# Altium PCB FPV0-3.PcbDoc (part 1 of 6)
Units mm, origin at the board's own origin, x right, y up, seen from the top; angles counter-clockwise.
Board outline 81.28 x 53.34 mm, 4 copper layers (Top Layer, GND Plane 1, 3v3 Plane 2, Bottom Layer); 180 components, 250 nets, 840 pads, 218 vias.
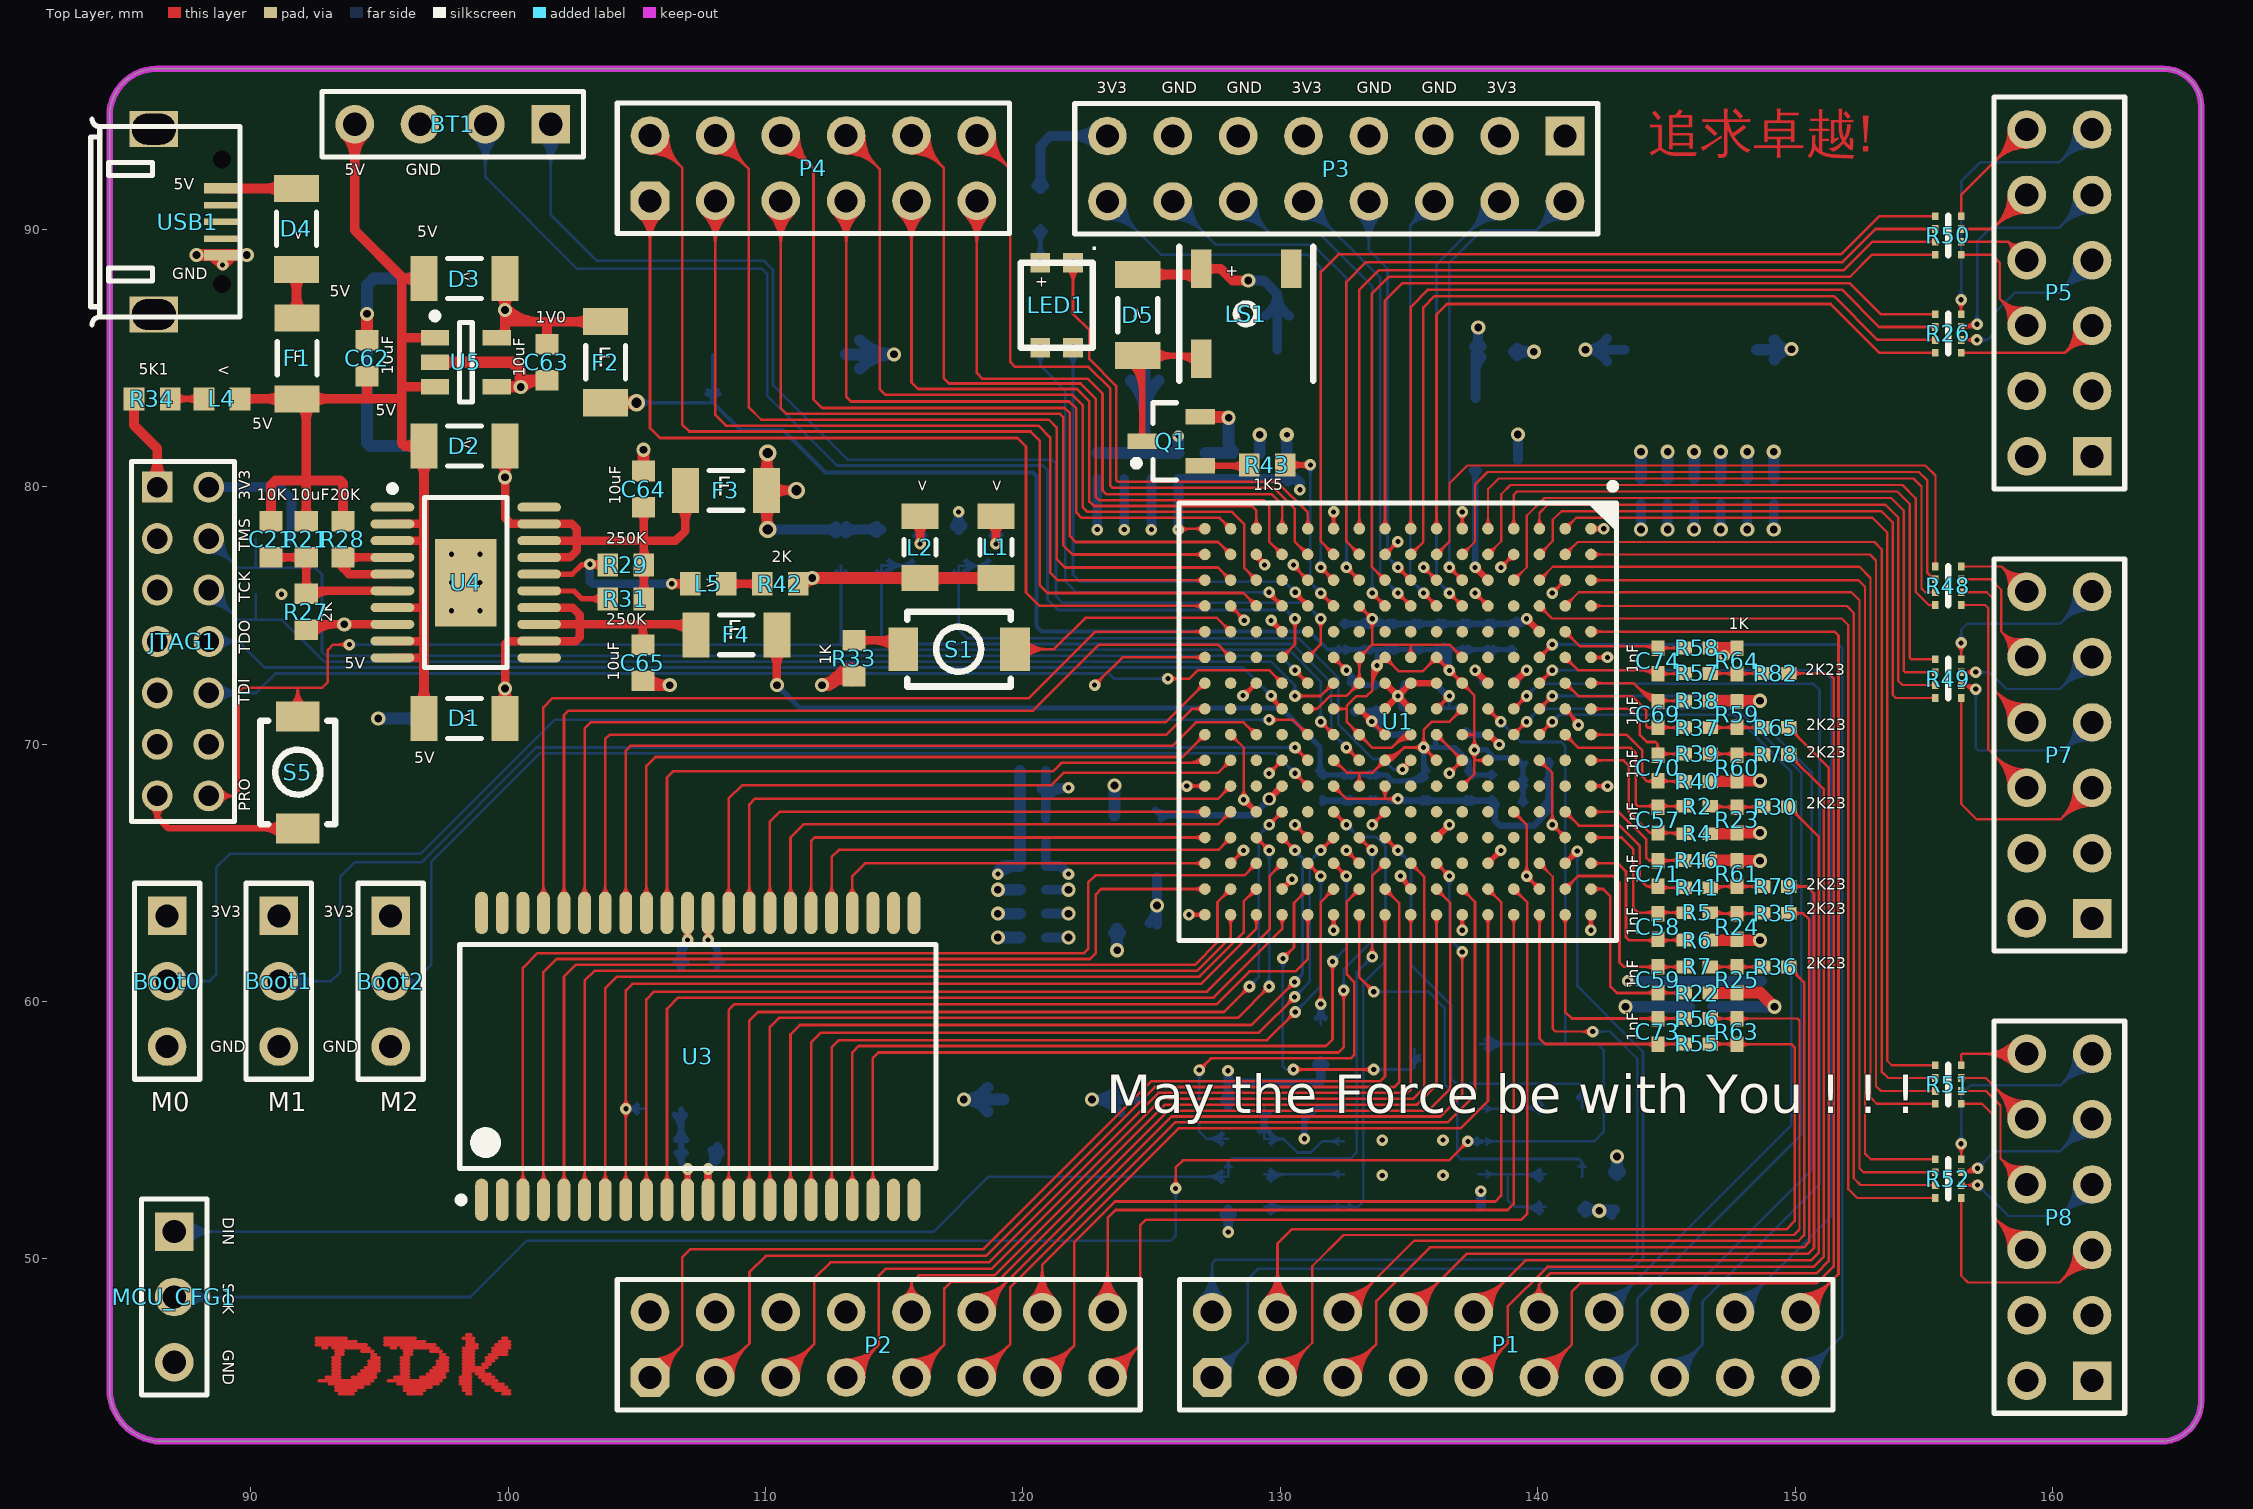
[diagram p0: Top Layer view]
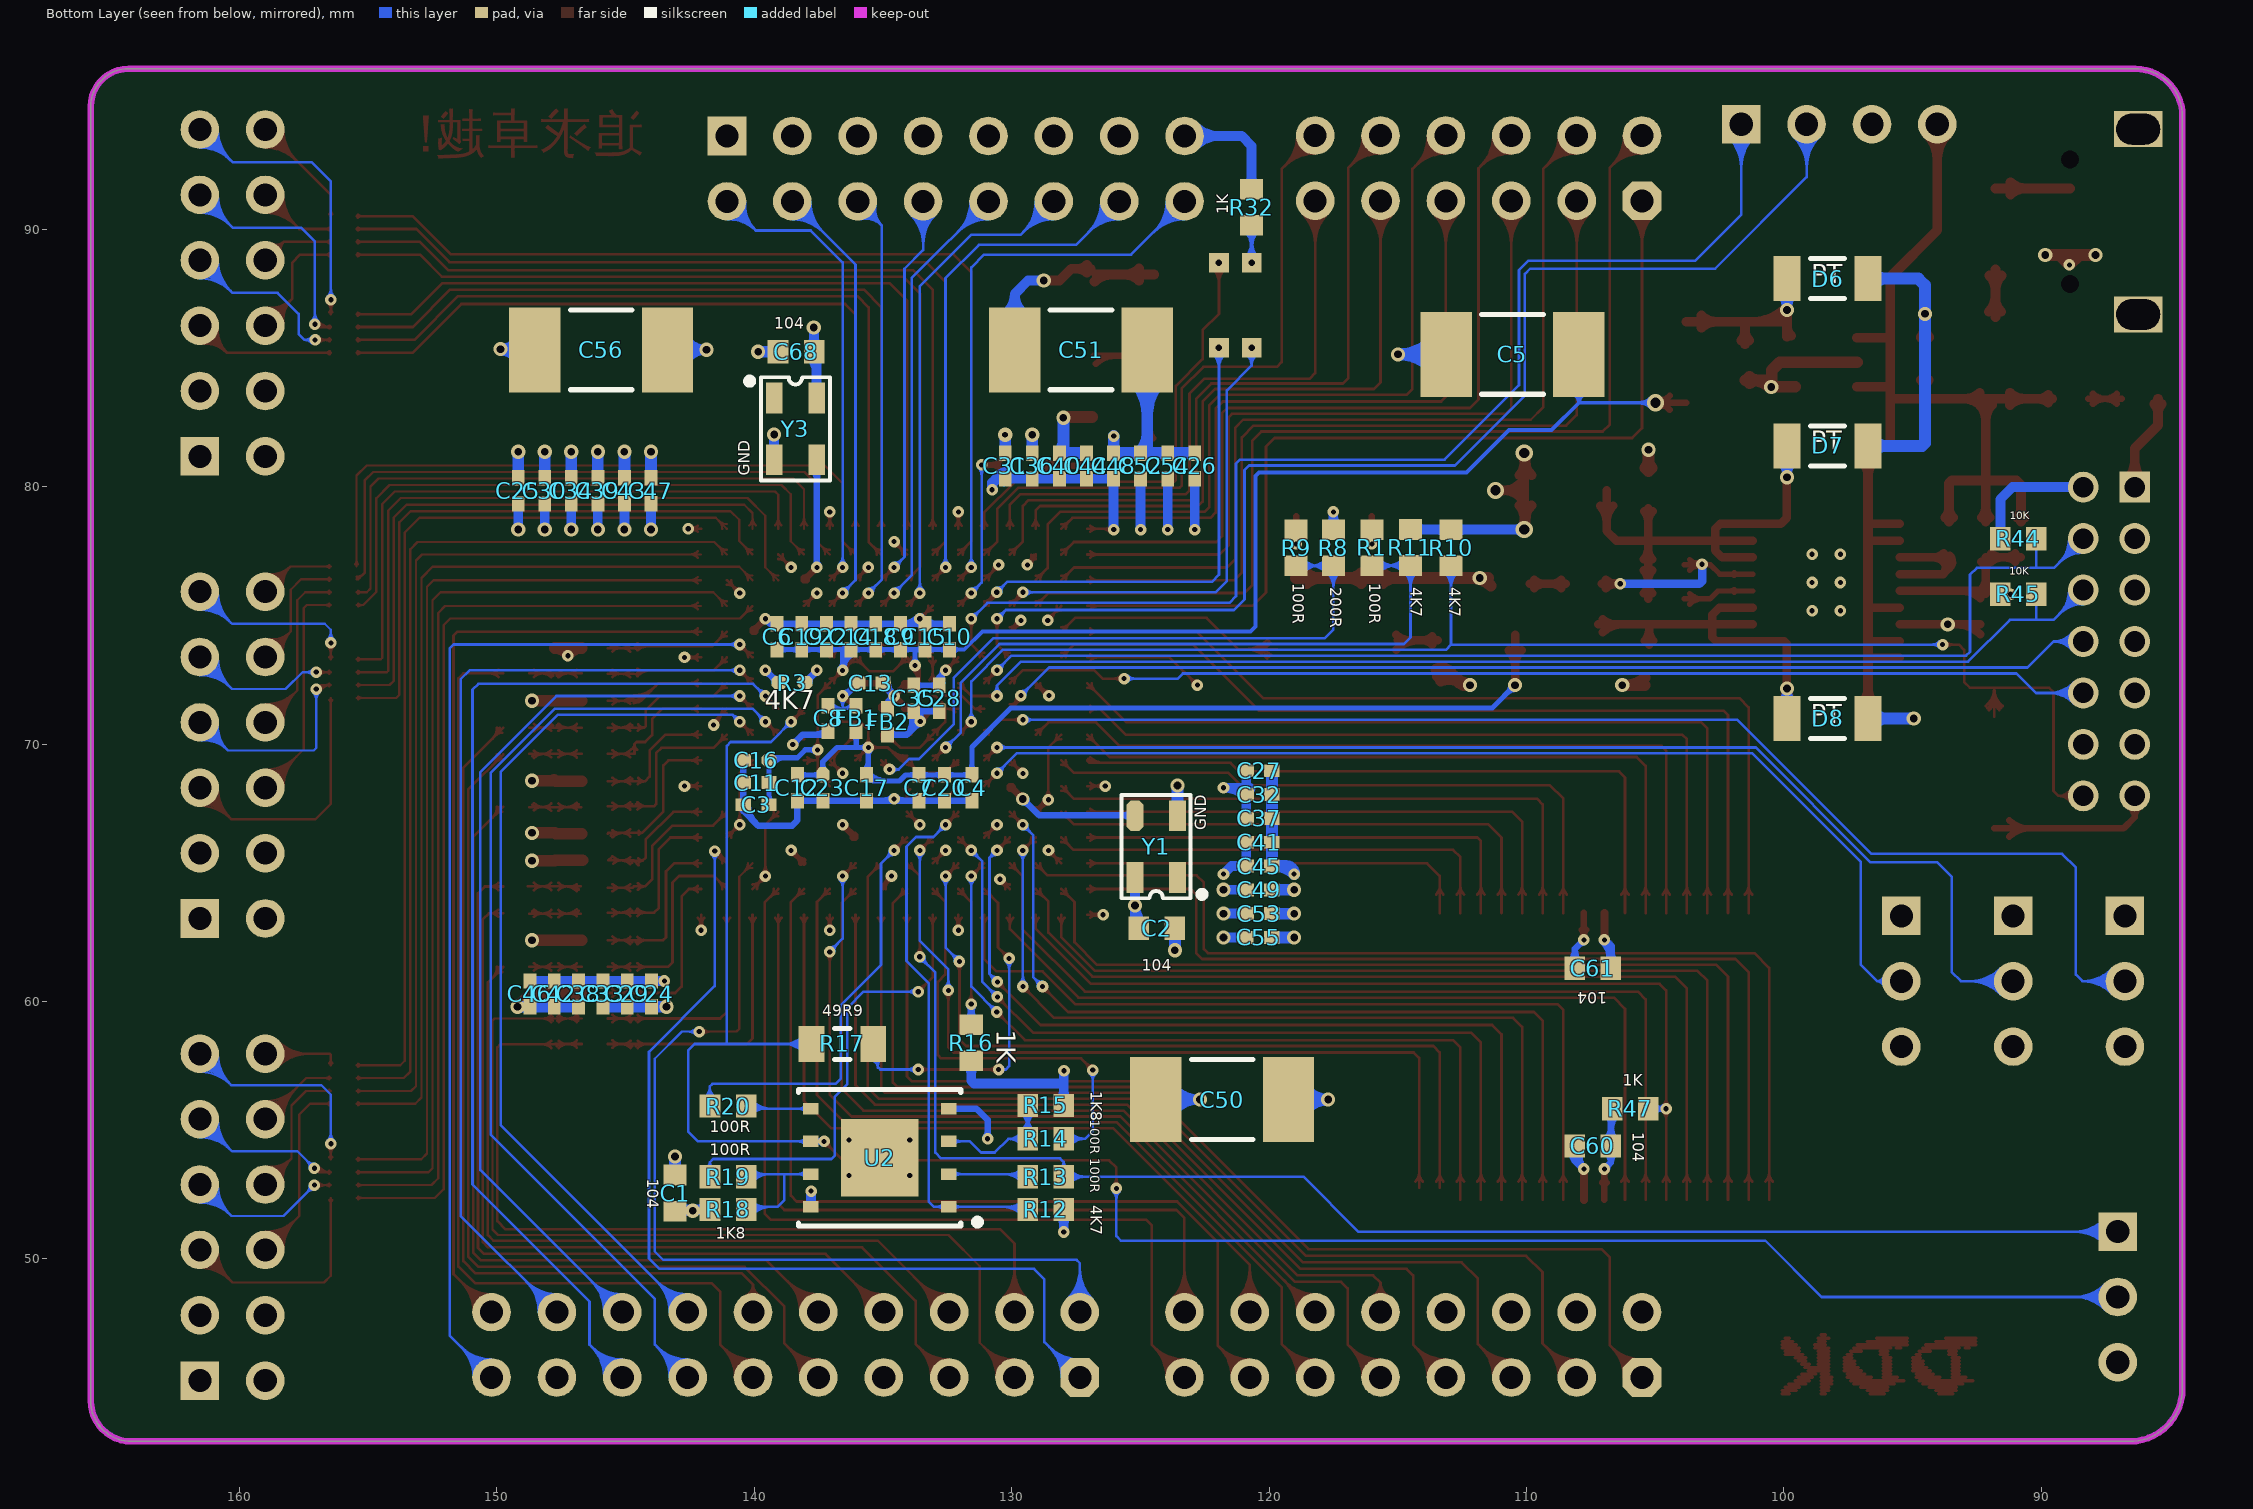
[diagram p1: Bottom Layer view, seen from below]
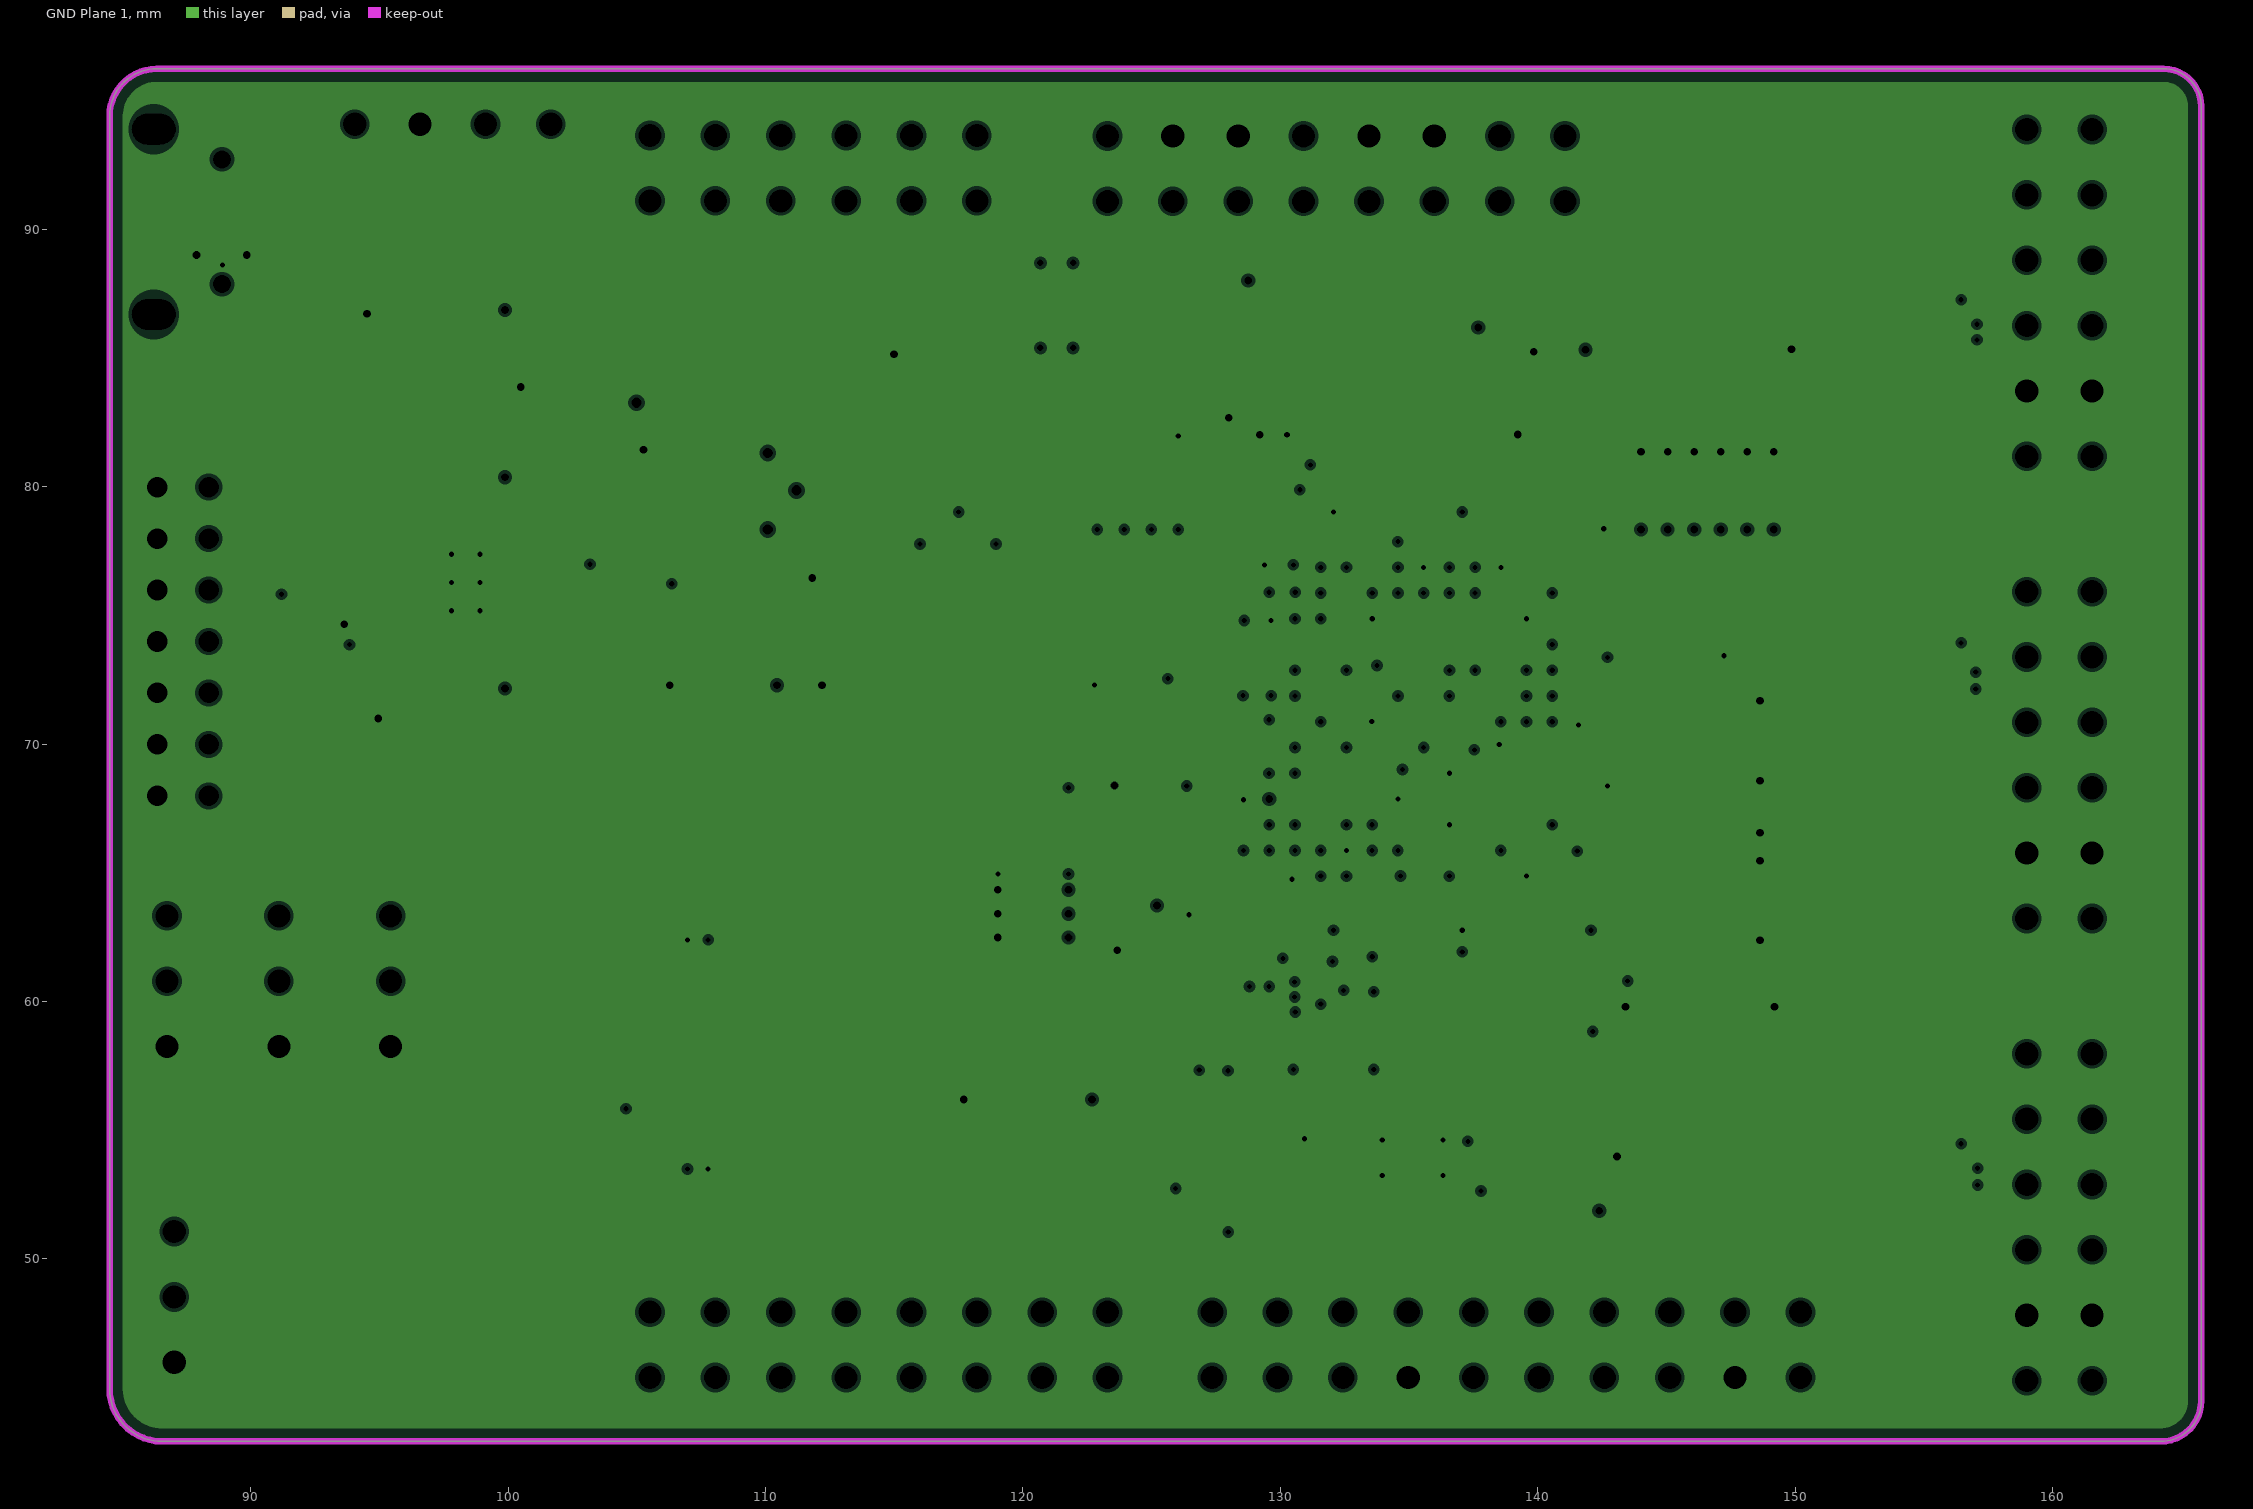
[diagram p2: GND Plane 1, clearances drawn from the general rule]
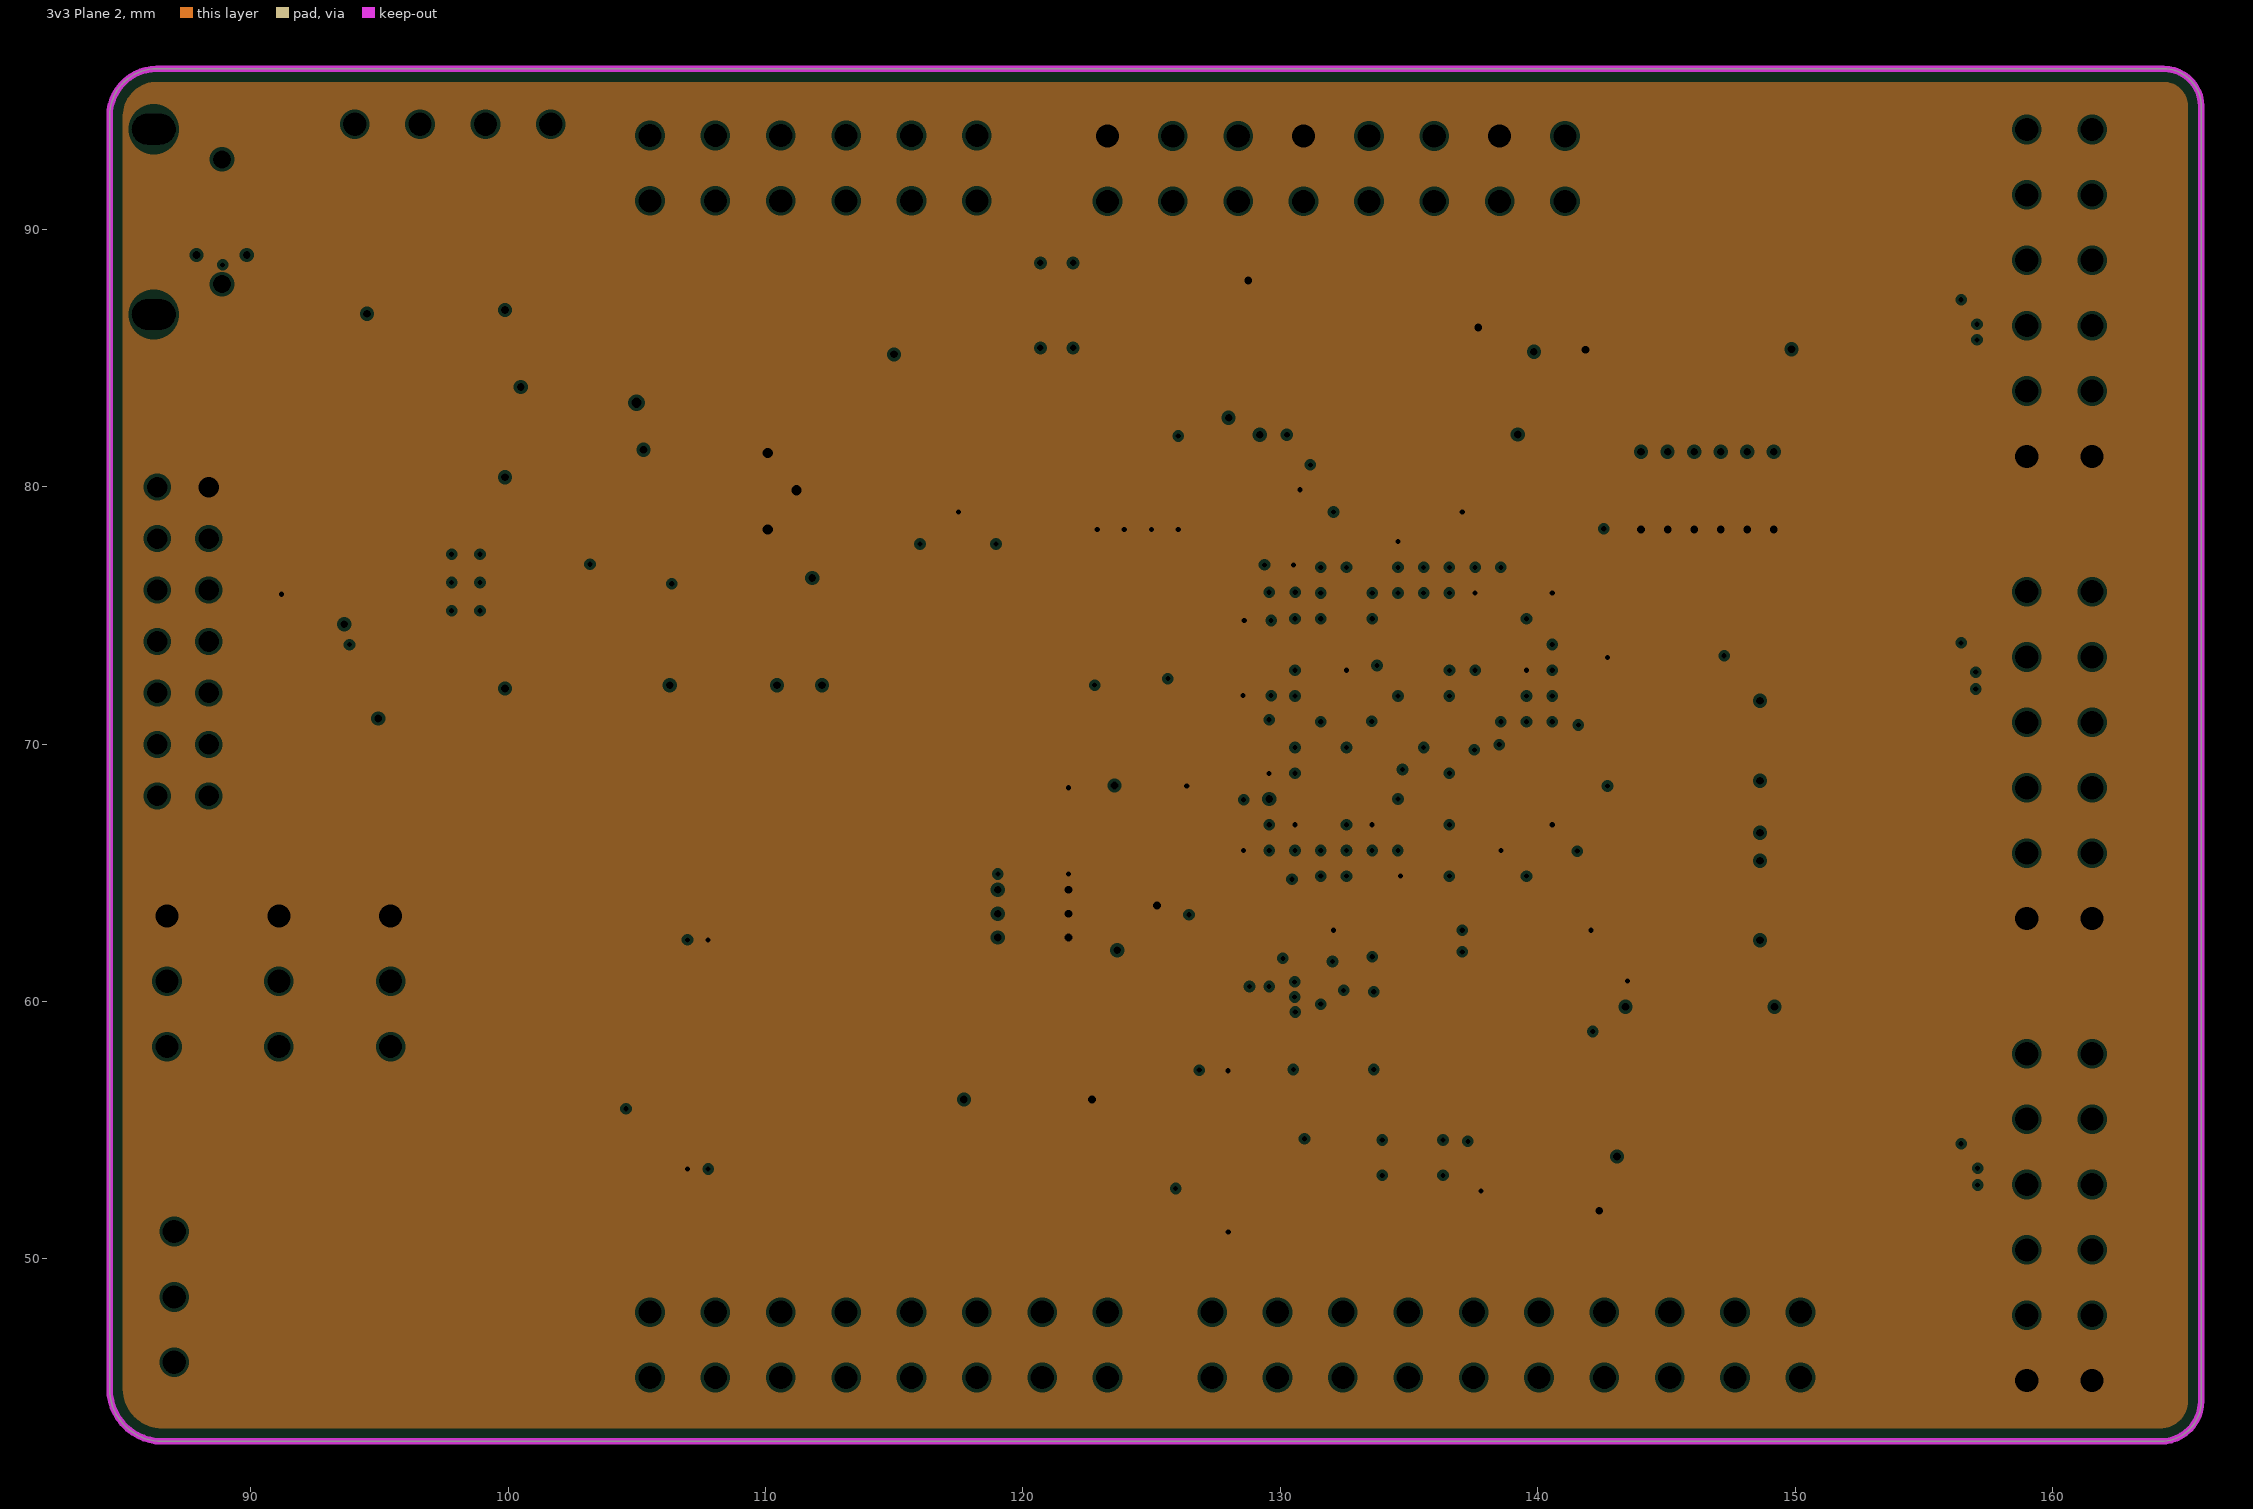
[diagram p3: 3v3 Plane 2, clearances drawn from the general rule]

## Layer stack, top to bottom
Top Layer: signal copper 0.0356
Dielectric: core 0.32, FR-4, Dk 4.8
GND Plane 1: plane copper 0.0356, net GND
Dielectric: prepreg 0.32, FR-4, Dk 4.8
3v3 Plane 2: plane copper 0.0356, net 3V3
Dielectric: core 0.32, FR-4, Dk 4.8
Bottom Layer: signal copper 0.0356

## Board outline
84.506,44.951 84.506,94.401 cw(c86.346,94.401) 86.346,96.241 164.316,96.241 cw(c164.316,94.771) 165.786,94.771 165.786,44.481 cw(c164.206,44.481) 164.206,42.901 86.556,42.901 cw(c86.556,44.951)

## Design rules (kind name [scope] priority, off if disabled: settings)
Clearance ne2rvia [(IsPad OR IsVia)] p1: gap=0.127
Clearance all [All] p2: gap=0.089
DiffPairsRouting [All] p1: maxlimit=0.254 minlimit=0.254 mostfreqgap=0.254 maxuncoupledlength=12.7
PlaneClearance [All] p1: clearance=0.127
PlaneConnect [All] p1: planeconnectstyle=Direct reliefexpansion=0.508 reliefentries=4 reliefconductorwidth=0.254 reliefairgap=0.254
PolygonConnect [All] p1: connectstyle=Relief reliefconductorwidth=0.254 reliefentries=4 polygonreliefangle="90 Angle" airgapwidth=0.254
RoutingVias [All] p1: holewidth=0.711 width=1.27 viastyle="Through Hole" minholewidth=0.2 minwidth=0.45 maxholewidth=0.711 maxwidth=1.27
SolderMaskExpansion [All] p1: expansion=0.025
Width [All] p1: maxlimit=1.27 minlimit=0.089 preferedwidth=0.254 minimp=50.000000 maximp=50.000000 favimp=50.000000
25 further rules are at their usual default settings.

## Classes and differential pairs
net class BANK34_IO[20..1]: BANK34_IO1 BANK34_IO2 BANK34_IO3 BANK34_IO4 BANK34_IO5 BANK34_IO6 BANK34_IO7 BANK34_IO8 BANK34_IO9 BANK34_IO10 BANK34_IO11 BANK34_IO12 BANK34_IO13 BANK34_IO14 BANK34_IO15 BANK34_IO16 BANK34_IO17 BANK34_IO18 BANK34_IO19 BANK34_IO20
net class BANK15_IO[36..1]: BANK15_IO1 BANK15_IO2 BANK15_IO3 BANK15_IO4 BANK15_IO5 BANK15_IO6 BANK15_IO7 BANK15_IO8 BANK15_IO9 BANK15_IO10 BANK15_IO11 BANK15_IO12 BANK15_IO13 BANK15_IO14 BANK15_IO15 BANK15_IO16 BANK15_IO17 BANK15_IO18 BANK15_IO19 BANK15_IO20 BANK15_IO21 BANK15_IO22 BANK15_IO23 BANK15_IO24 BANK15_IO25 BANK15_IO26 BANK15_IO27 BANK15_IO28 BANK15_IO29 BANK15_IO30 BANK15_IO31 BANK15_IO32 BANK15_IO33 BANK15_IO34 BANK15_IO35 BANK15_IO36
net class BANK14_IO[10..1]: BANK14_IO1 BANK14_IO2 BANK14_IO3 BANK14_IO4 BANK14_IO5 BANK14_IO6 BANK14_IO7 BANK14_IO8 BANK14_IO9 BANK14_IO10
component class FPGA_POWER: C3 C4 C5 C6 C7 C8 C9 C10 C11 C12 C13 C14 C15 C16 C17 C18 C19 C20 C22 C23 C24 C25 C26 C27 C28 C29 C30 C31 C32 C33 C34 C35 C36 C37 C38 C39 C40 C41 C42 C43 C44 C45 C46 C47 C48 C49 C50 C51 C52 C53 C54 C55 C56 FB1 FB2
component class FPGA_IO: C1 C2 C68 R12 R13 R14 R15 R16 R17 R18 R19 R20 U2 Y1 Y3
component class IO: BT1 C57 C58 C59 C69 C70 C71 C73 C74 D5 LED1 LS1 P1 P2 P3 P4 P5 P7 P8 Q1 R2 R4 R5 R6 R7 R22 R23 R24 R25 R26 R30 R32 R33 R35 R36 R37 R38 R39 R40 R41 R43 R46 R48 R49 R50 R51 R52 R55 R56 R57 R58 R59 R60 R61 R63 R64 R65 R78 R79 R82 S1
component class MEMORY: C60 C61 R47 U3
component class FPGA_CFG: Boot0 Boot1 Boot2 JTAG1 L1 L2 MCU_CFG1 R1 R3 R8 R9 R10 R11 R44 R45 S5 U1
net class BANK35_IO[42..1]: BANK35_IO1 BANK35_IO2 BANK35_IO3 BANK35_IO4 BANK35_IO5 BANK35_IO6 BANK35_IO7 BANK35_IO8 BANK35_IO9 BANK35_IO10 BANK35_IO11 BANK35_IO12 BANK35_IO13 BANK35_IO14 BANK35_IO15 BANK35_IO16 BANK35_IO17 BANK35_IO18 BANK35_IO19 BANK35_IO20 BANK35_IO21 BANK35_IO22 BANK35_IO23 BANK35_IO24 BANK35_IO25 BANK35_IO26 BANK35_IO27 BANK35_IO28 BANK35_IO29 BANK35_IO30 BANK35_IO31 BANK35_IO32 BANK35_IO33 BANK35_IO34 BANK35_IO35 BANK35_IO36 BANK35_IO37 BANK35_IO38 BANK35_IO39 BANK35_IO40 BANK35_IO41 BANK35_IO42 IO0
net class SRAM-A[18..0]: SRAM-A0 SRAM-A1 SRAM-A2 SRAM-A3 SRAM-A4 SRAM-A5 SRAM-A6 SRAM-A7 SRAM-A8 SRAM-A9 SRAM-A10 SRAM-A11 SRAM-A12 SRAM-A13 SRAM-A14 SRAM-A15 SRAM-A16 SRAM-A17 SRAM-A18
net class SRAM-DQ[7..0]: SRAM-DQ0 SRAM-DQ1 SRAM-DQ2 SRAM-DQ3 SRAM-DQ4 SRAM-DQ5 SRAM-DQ6 SRAM-DQ7
component class power: C21 C62 C63 C64 C65 D1 D2 D3 D4 D6 D7 D8 F1 F2 F3 F4 L4 L5 R21 R27 R28 R29 R31 R34 R42 U4 U5 USB1
net class QEI_B[3..0]: QEI_B1 QEI_B2 QEI_B3
differential pair AD1: +AD1_P -AD1_N
differential pair AD2: +AD2_P -AD2_N
differential pair AD3: +AD3_P -AD3_N
differential pair AD4: +AD4_P -AD4_N
differential pair AD8: +AD8_P -AD8_N
differential pair AD9: +AD9_P -AD9_N
differential pair AD10: +AD10_P -AD10_N
differential pair AD11: +AD11_P -AD11_N
differential pair AD12: +AD12_P -AD12_N
